# Altium PCB R1_EmberNet Pod Layout.PcbDoc (part 1 of 2)
Units mm, origin at the board's own origin, x right, y up, seen from the top; angles counter-clockwise.
Board outline 78.51 x 78.51 mm, 4 copper layers (Top Layer, Ground Layer, Power Layer, Bottom Layer), stack 0.844 mm thick; 147 components, 81 nets, 412 pads, 302 vias.
Unrouted connection lines stored in the file: 3.
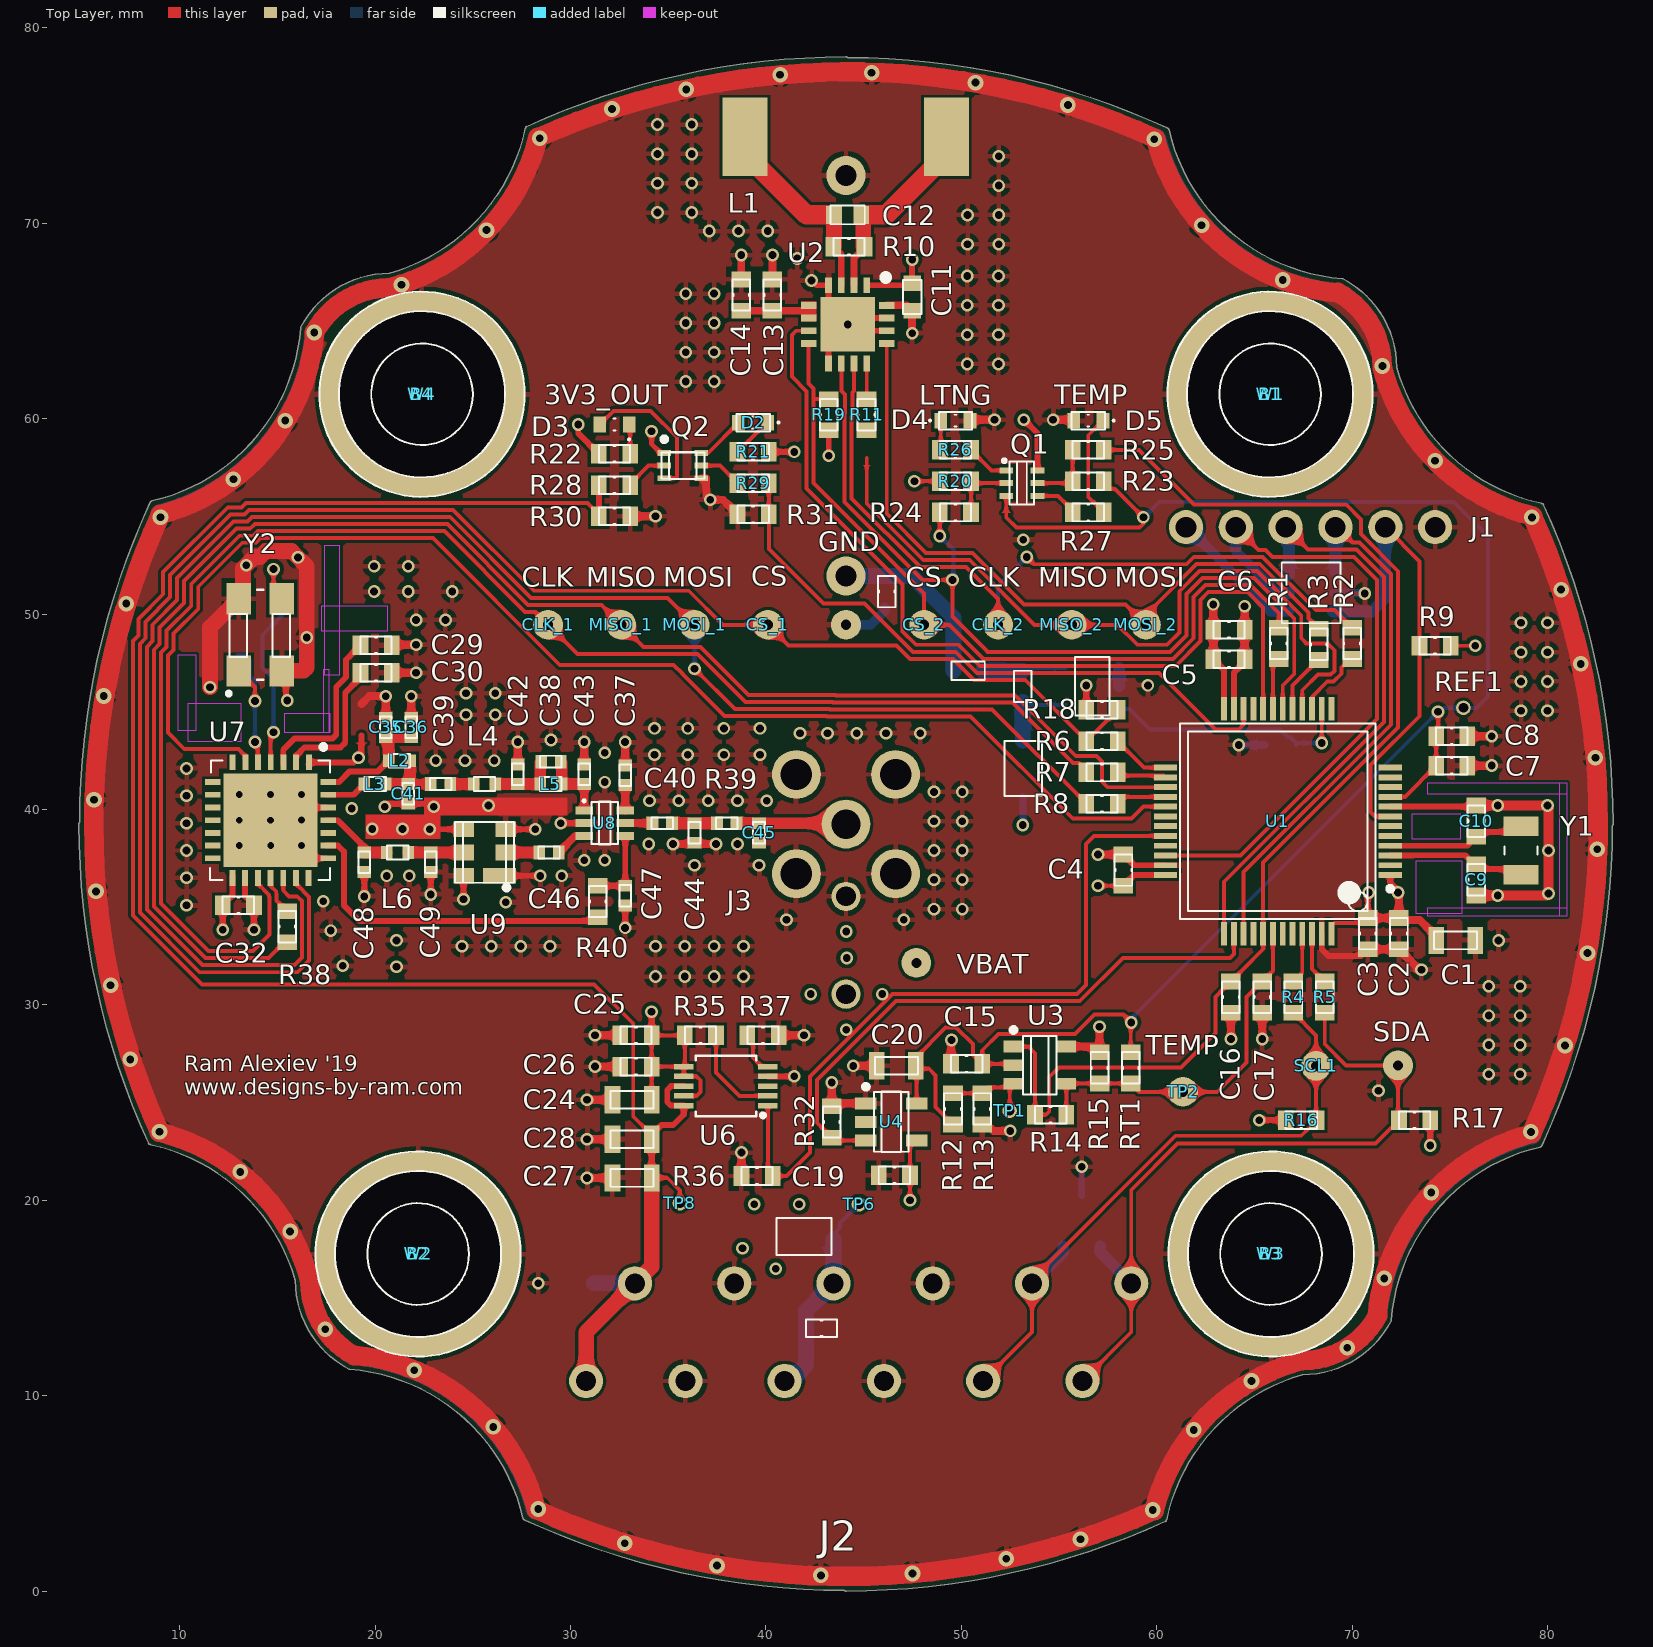
[diagram p0: Top Layer view]
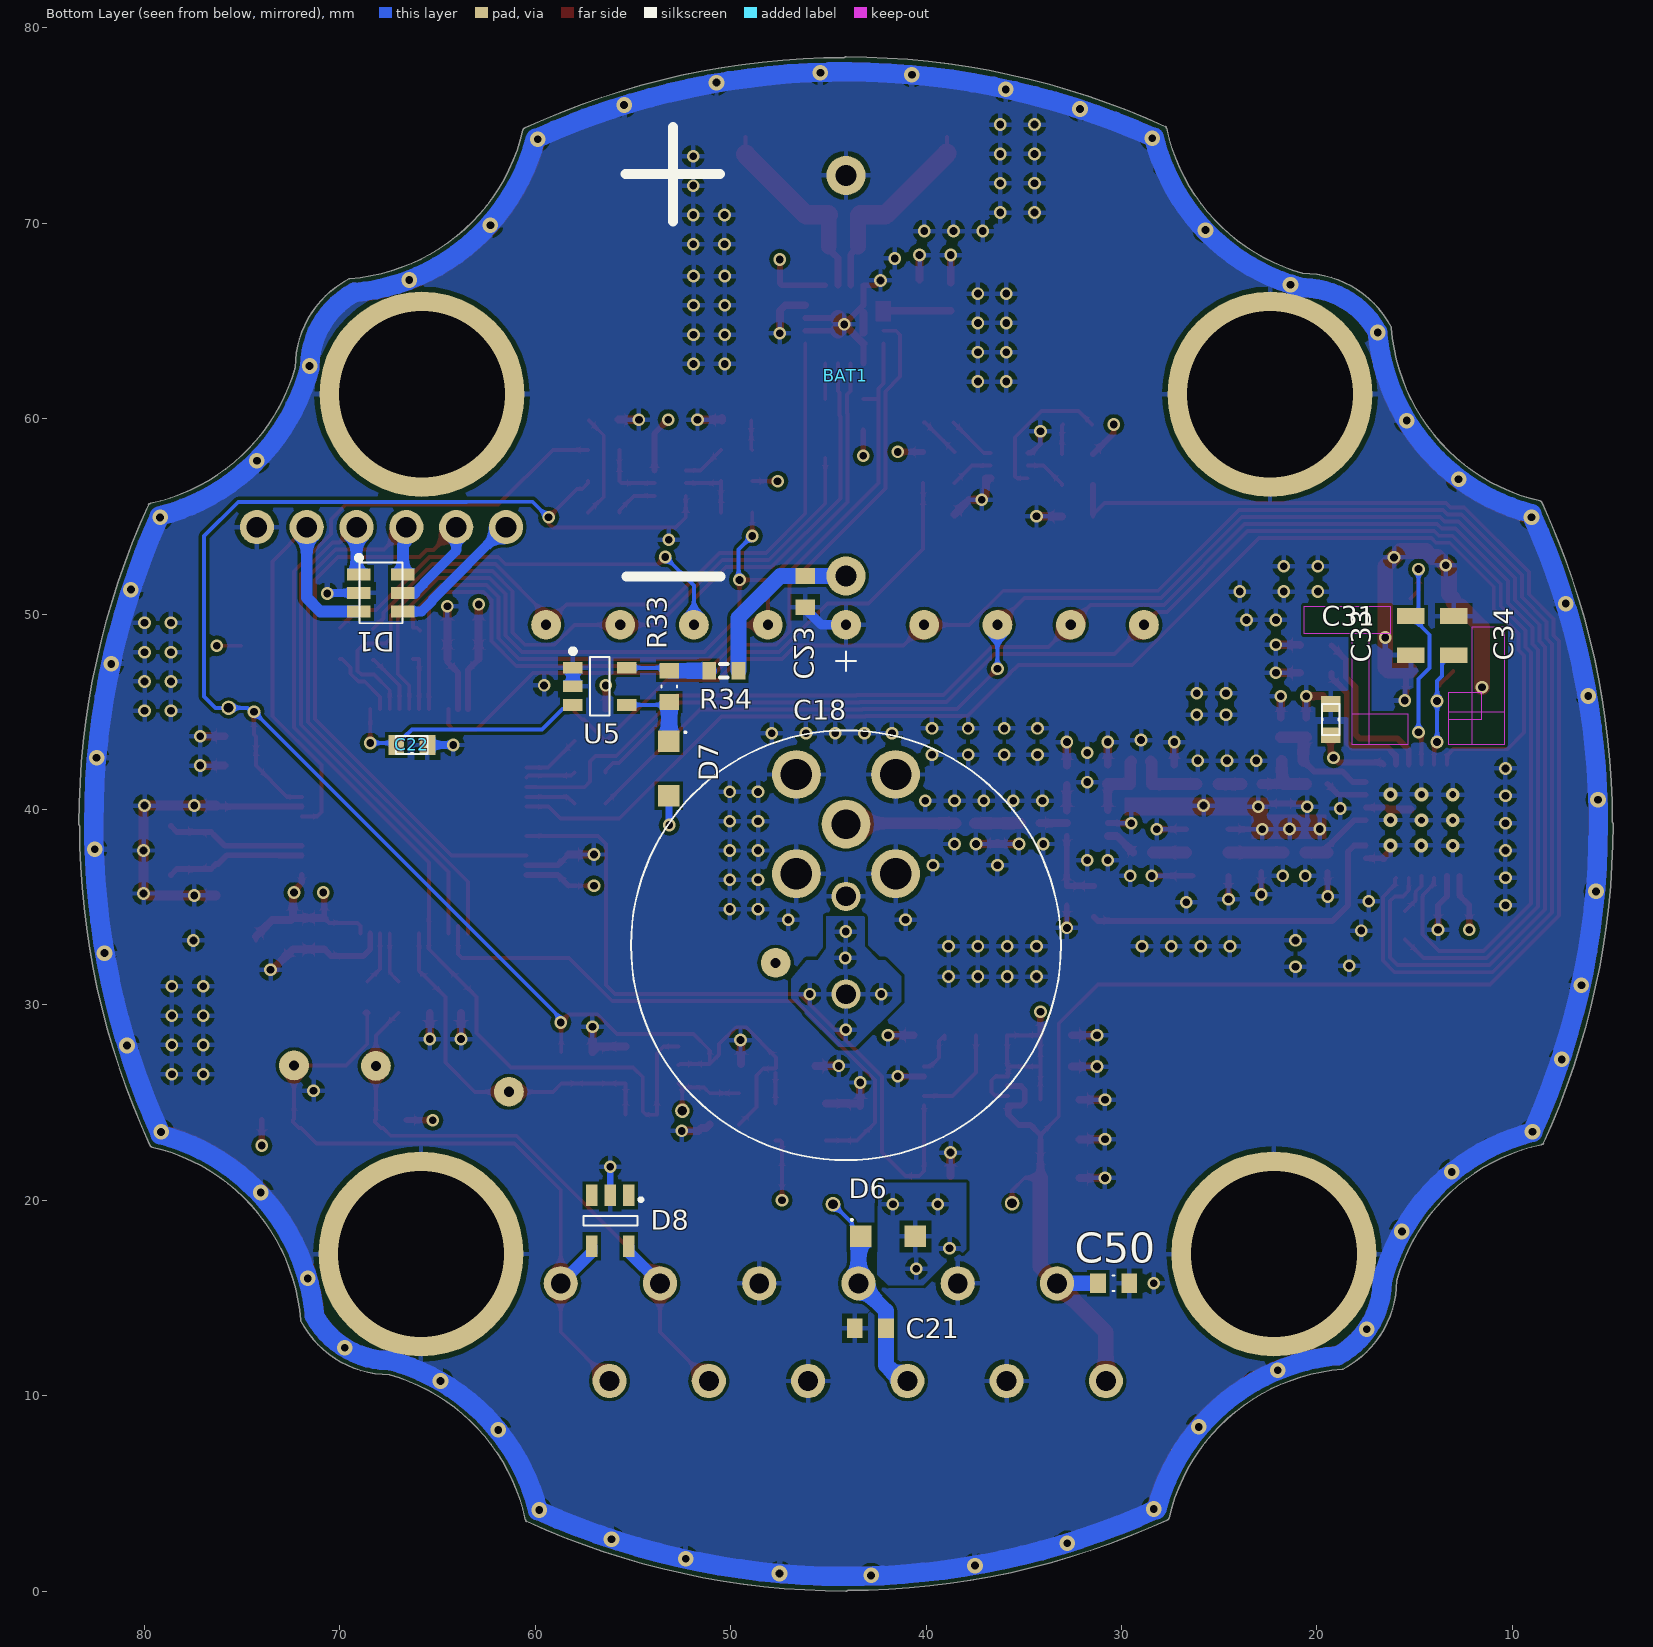
[diagram p1: Bottom Layer view, seen from below]
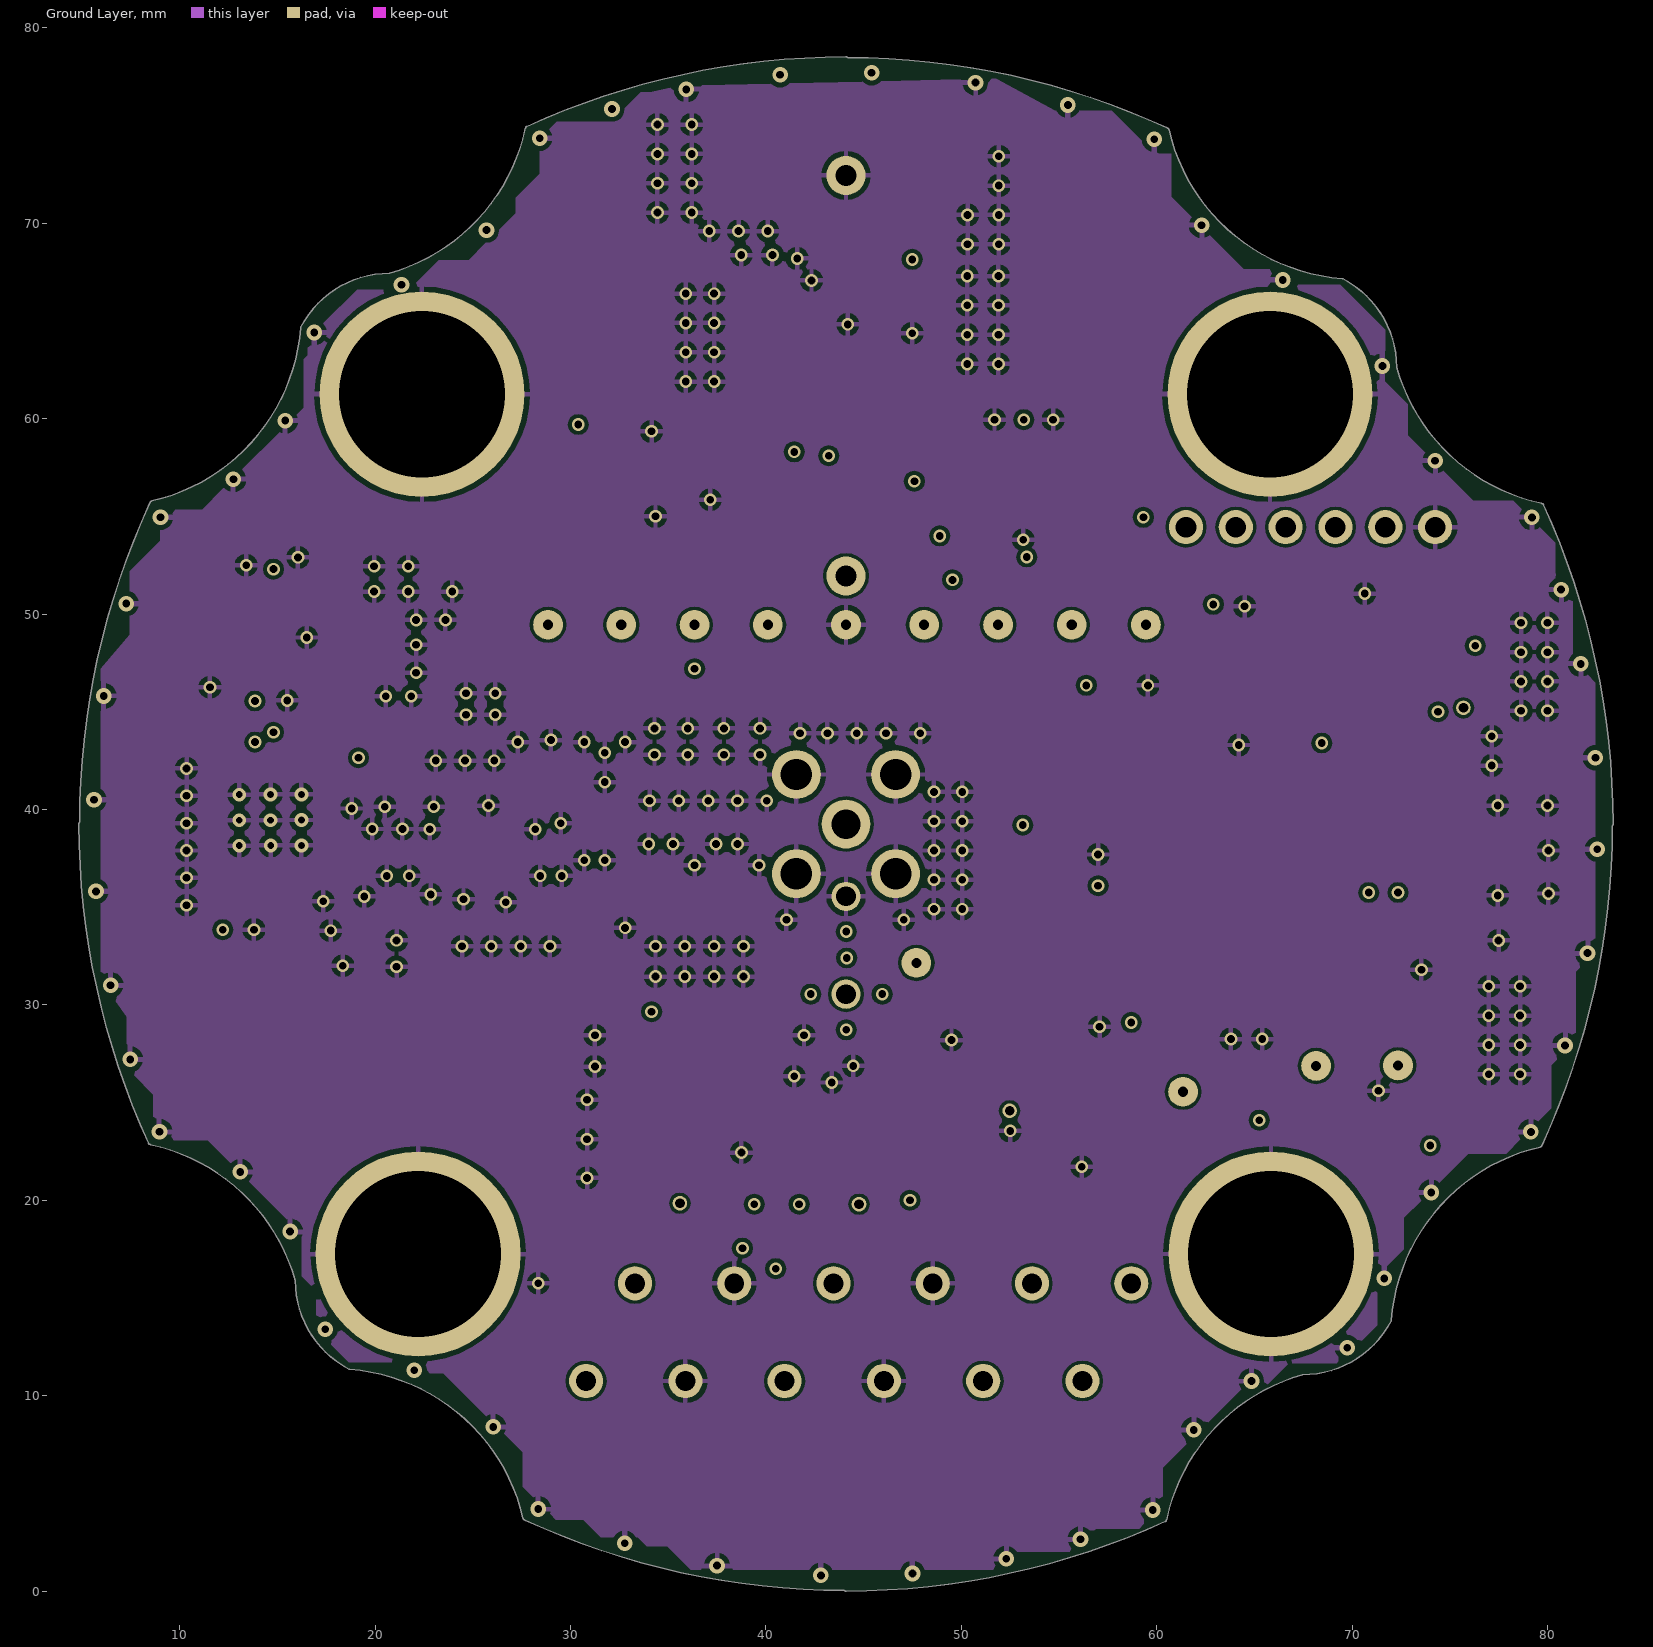
[diagram p2: Ground Layer]
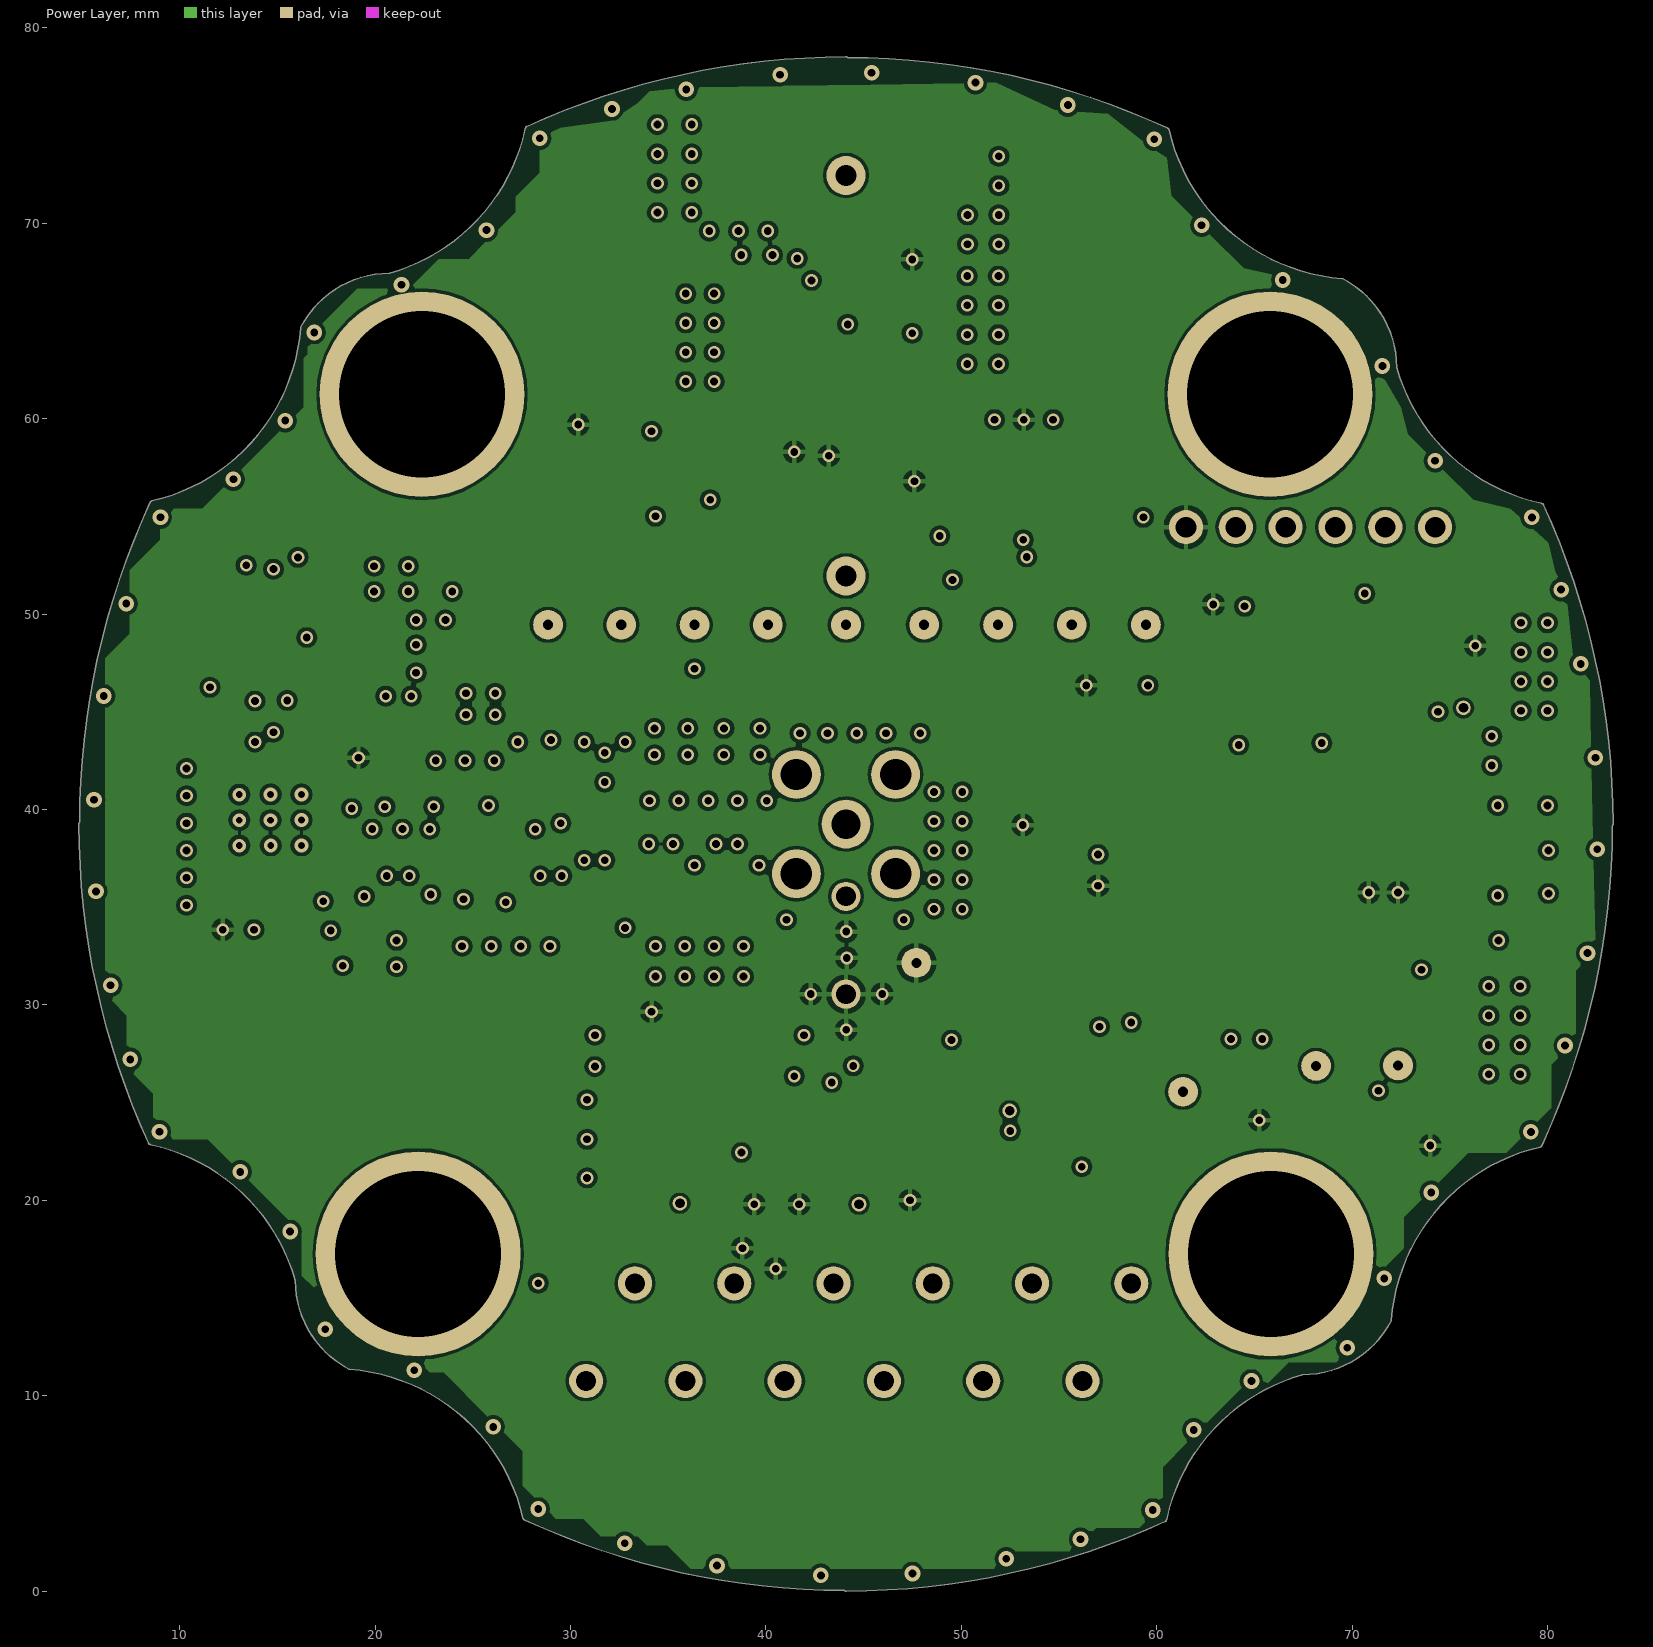
[diagram p3: Power Layer]

## Layer stack, top to bottom
Top Solder: solder mask 0.0102, Solder Resist, Dk 3.5
Top Layer: signal copper 0.0356
Dielectric 1: core 0.32, FR-4, Dk 4.8
Ground Layer: signal copper 0.036
Dielectric 4: prepreg 0.127, FR-4, Dk 4.2
Power Layer: signal copper 0.036
Dielectric 3: core 0.254, FR-4, Dk 4.2
Bottom Layer: signal copper 0.0356
Bottom Solder: solder mask 0.0102, Solder Resist, Dk 3.5

## Board outline
18.651,11.364 cw(c21.05,15.906) 15.913,15.888 ccw(c6.426,13.213) 8.492,22.852 cw(c8.518,22.976) 8.403,22.923 cw(c44.1,39.256) 4.844,39.256 cw(c4.971,39.256) 4.873,39.337 cw(c44.1,39.256) 8.475,55.677 cw(c8.602,55.663) 8.573,55.788 ccw(c6.35,65.406) 16.193,64.654 cw(c16.32,64.645) 16.208,64.705 cw(c20.75,62.306) 20.732,67.443 ccw(c18.057,76.93) 27.695,74.864 cw(c27.82,74.838) 27.767,74.953 cw(c44.1,39.256) 44.1,78.513 cw(c44.1,78.385) 44.181,78.483 cw(c44.1,39.256) 60.521,74.881 cw(c60.507,74.755) 60.631,74.783 ccw(c70.25,77.006) 69.498,67.163 cw(c69.489,67.036) 69.549,67.148 cw(c67.15,62.606) 72.287,62.624 ccw(c81.774,65.299) 79.708,55.661 cw(c79.682,55.536) 79.797,55.589 cw(c44.1,39.256) 83.356,39.256 cw(c83.229,39.256) 83.327,39.175 cw(c44.1,39.256) 79.725,22.836 cw(c79.598,22.849) 79.627,22.725 ccw(c81.85,13.106) 72.007,13.858 ccw(c81.85,13.106) 72.007,13.857 72.007,13.858 cw(c71.88,13.867) 71.992,13.807 cw(c67.45,16.206) 67.468,11.069 ccw(c70.143,1.583) 60.505,3.648 cw(c60.38,3.675) 60.433,3.559 cw(c44.1,39.256) 44.1,0 cw(c44.1,0.127) 44.019,0.029 cw(c44.1,39.256) 27.679,3.631 cw(c27.693,3.758) 27.569,3.729 ccw(c17.95,1.506) 18.702,11.349 cw(c18.711,11.477)
